# KiCad board register-motherboard - Copy.kicad_pcb (continued)
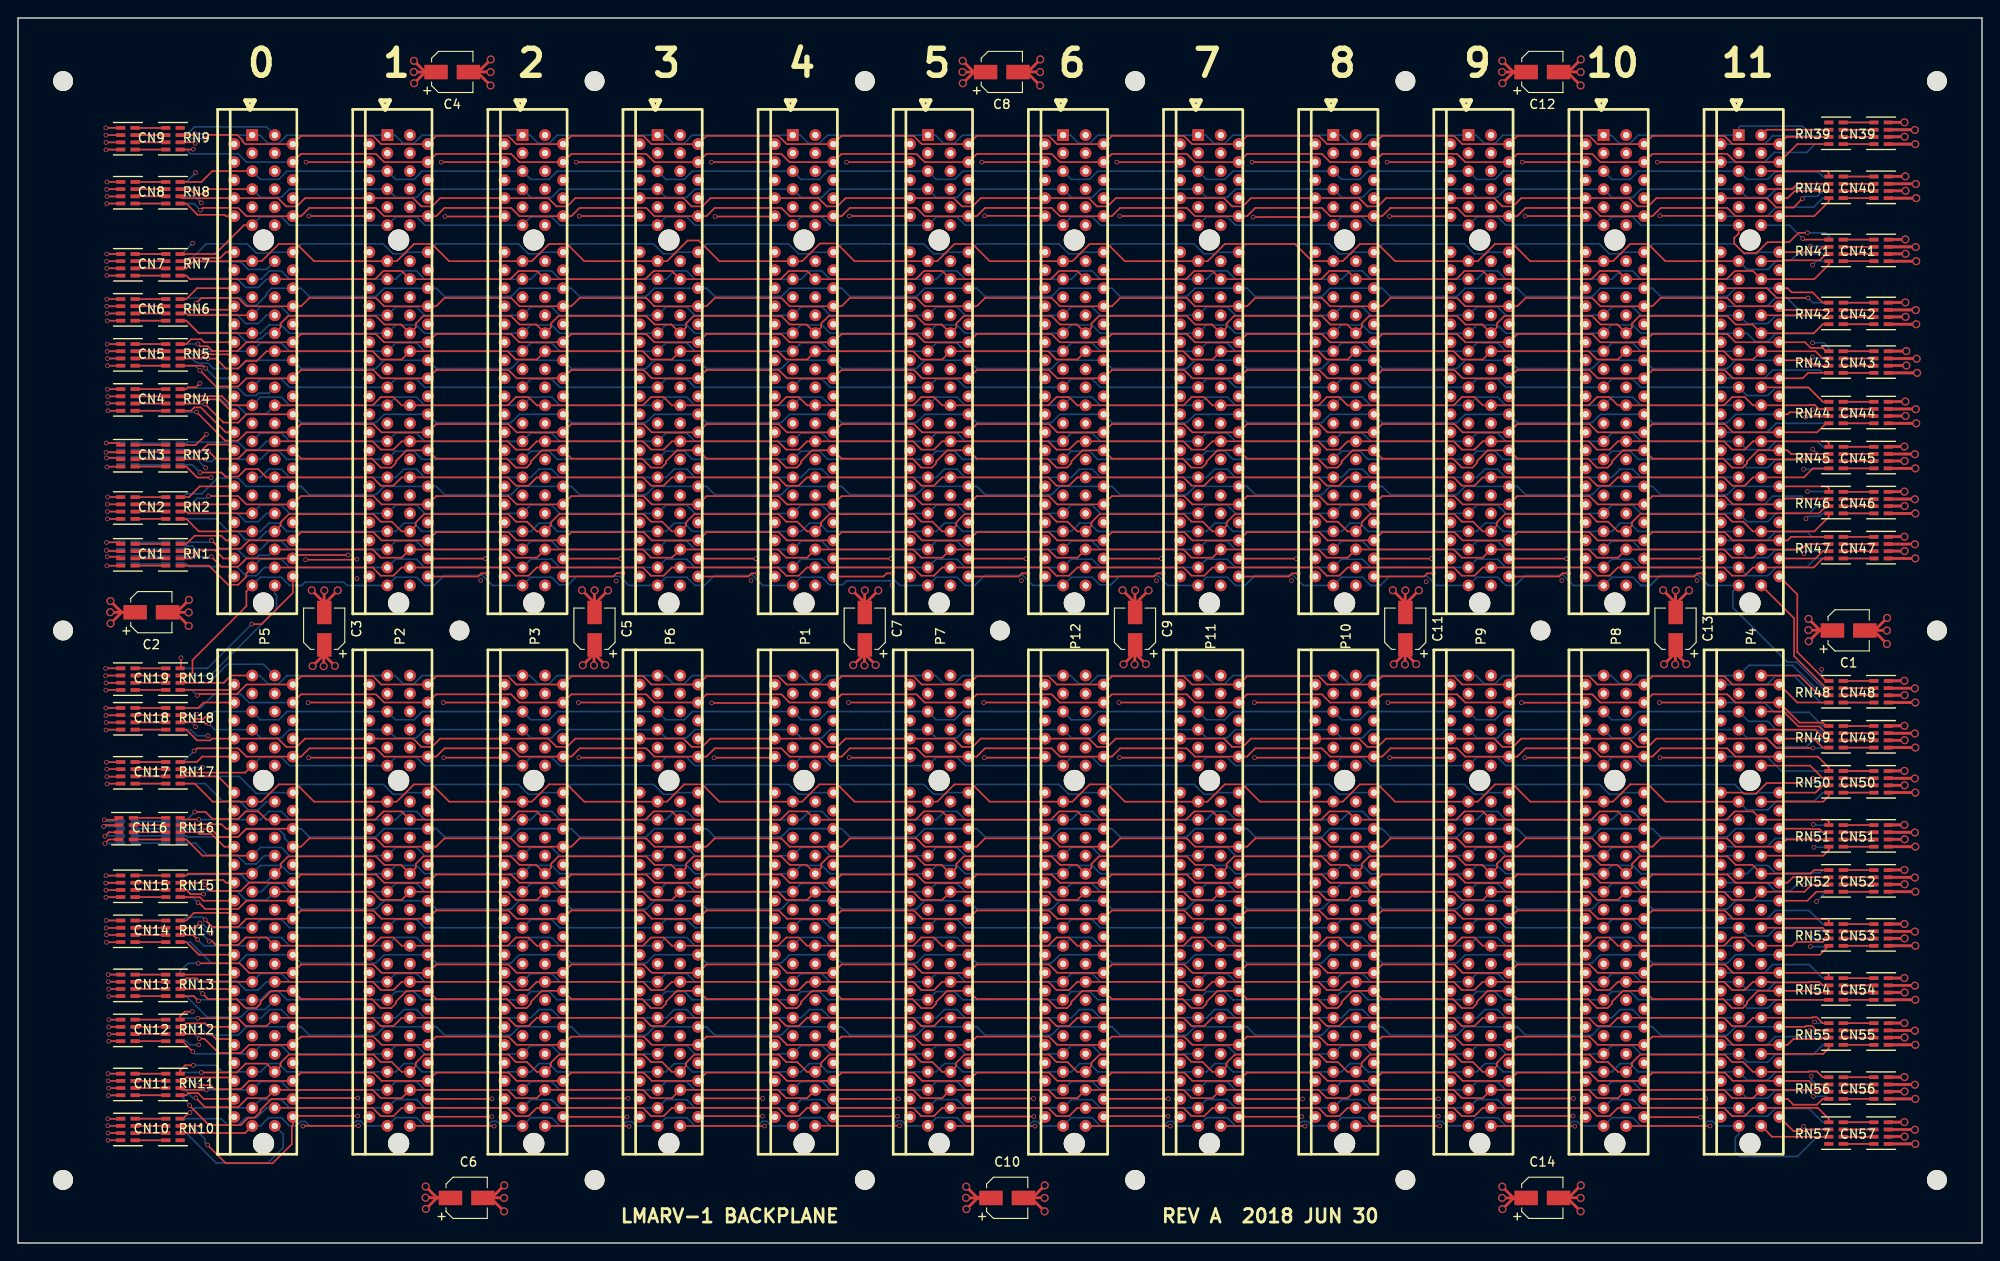
[diagram p0: board, top side]
## Routing (per net, layer and track width the routed paths; a pad name or vN(x,y) marks a point on that pad's centre or on a via; arc(x,y) is an arc through that point) (continued)
  Bottom w0.178: v1(199.25,54.95) 200.95,54.95 RN68.5
/rd[11]: length 192.8
  Top w0.178: v1(21.18,57.64) 20.82,57.64 20.63,57.83 18.71,57.83 18.68,57.8 RN18.6
  Bottom w0.178: RN68.6 199.25,55.8 198.53,55.08 195.06,55.08 194.06,56.08 191.92,56.08 P4.56 180.14,57 179.23,56.08 176.92,56.08 P8.56 165.14,57 164.23,56.08 161.92,56.08 P9.56 150.14,57 149.23,56.08 146.92,56.08 P10.56 135.14,57 134.23,56.08 131.92,56.08 P11.56 120.14,57 119.23,56.08 116.92,56.08 P12.56 105.14,57 104.23,56.08 101.92,56.08 P7.56 90.14,57 89.23,56.08 86.92,56.08 P1.56 75.14,57 74.23,56.08 71.92,56.08 P6.56 60.14,57 59.23,56.08 56.92,56.08 P3.56 45.14,57 44.23,56.08 41.92,56.08 P2.56 30.14,57 29.23,56.08 26.92,56.08 P5.56 21.82,57 v1(21.18,57.64)
/rd[12]: length 192.9
  Top w0.178: RN18.7 19.08,58.6 19.49,58.19 20.56,58.19 20.77,58.4 v1(21.13,58.4)
  Bottom w0.178: v1(21.13,58.4) 21.74,59 P5.54 26.92,58.08 28.94,58.08 29.86,59 P2.54 41.92,58.08 43.94,58.08 44.86,59 P3.54 56.92,58.08 58.94,58.08 59.86,59 P6.54 71.92,58.08 73.94,58.08 74.86,59 P1.54 86.92,58.08 88.94,58.08 89.86,59 P7.54 101.92,58.08 103.94,58.08 104.86,59 P12.54 116.92,58.08 118.94,58.08 119.86,59 P11.54 131.92,58.08 133.94,58.08 134.86,59 P10.54 146.92,58.08 148.94,58.08 149.86,59 P9.54 161.92,58.08 163.94,58.08 164.86,59 P8.54 176.92,58.08 178.94,58.08 179.86,59 P4.54 192.08,57.92 194.23,57.92 195.23,56.92 200.01,56.92 200.32,56.6 RN68.7
/rd[13]: length 195.5
  Top w0.178: v1(47.2,60) P3.53 ; v1(62.2,60) P6.53 ; v1(92.2,60) P7.53 ; v1(107.2,60) P12.53 ; v1(122.2,60) P11.53 ; v1(182.2,60) P4.53 ; v1(166.89,59.99) 173.99,59.99 P8.53 ; v1(152.07,60) P9.53 ; P1.53 83.96,59.96 v1(77,59.96) ; RN18.8 20,59.4 20.6,60 P5.53 ; v1(32.2,60) P2.53 ; v1(137.23,60) P10.53
  Vcc3.Cu w0.178: P5.53 28.86,60 29.77,60.92 31.28,60.92 v1(32.2,60) ; 53.08,60.92 P3.53 ; P3.53 58.86,60 59.77,60.92 61.28,60.92 v1(62.2,60) ; P3.53 53.08,60.92 ; P2.53 43.86,60 44.78,60.92 46.28,60.92 v1(47.2,60) ; P1.53 88.86,60 89.77,60.92 91.28,60.92 v1(92.2,60) ; P7.53 103.86,60 104.78,60.92 106.28,60.92 v1(107.2,60) ; P12.53 118.86,60 119.77,60.92 121.28,60.92 v1(122.2,60) ; P8.53 178.86,60 179.78,60.92 181.28,60.92 v1(182.2,60) ; P11.53 133.86,60 134.78,60.92 136.31,60.92 v1(137.23,60) ; v1(77,59.96) 76.01,60.95 75.09,60.95 74.14,60 P6.53 ; P9.53 163.86,60 164.86,61 165.86,61 166.87,59.99 v1(166.89,59.99) ; P10.53 149.14,60 150.09,60.95 151.12,60.95 v1(152.07,60)
  Bottom w0.178: RN68.8 200.32,57.4 198.81,58.92 194.94,58.92 193.86,60 P4.53
/rd[14]: length 206.5
  Top w0.178: RN19.5 23.4,61.4 P5.51
  In2.Cu w0.178: P5.51 28.86,62 29.77,61.08 37.16,61.08 38.08,62 P2.51 44.14,62 45.06,61.08 53.08,61.08 P3.51 ; P3.51 58.86,62 59.77,61.08 67.16,61.08 68.08,62 P6.51 74.14,62 75.06,61.08 83.08,61.08 P1.51 ; P3.51 53.08,62 52.16,61.08 ; P1.51 88.86,62 89.77,61.08 97.16,61.08 98.08,62 P7.51 104.14,62 105.06,61.08 113.08,61.08 P12.51 ; P1.51 83.08,62 82.16,61.08 ; P12.51 118.86,62 119.77,61.08 127.16,61.08 128.08,62 P11.51 134.14,62 135.06,61.08 143.08,61.08 P10.51 ; P12.51 113.08,62 112.16,61.08 ; P10.51 143.08,62 142.16,61.08 ; P10.51 149.14,62 150.06,61.08 158.08,61.08 P9.51 ; P9.51 163.86,62 164.77,61.08 172.16,61.08 173.08,62 P8.51 179.14,62 180.06,61.08 188.08,61.08 P4.51 188.08,62 187.16,61.08 ; P9.51 158.08,62 157.16,61.08
  Bottom w0.178: P4.51 194.14,62 195.06,62.92 197.17,62.92 200.09,60 RN67.5
/rd[15]: length 193.5
  Top w0.178: P5.50 23.64,63 22.84,62.2 RN19.6
  Bottom w0.178: P5.50 26.83,63 27.74,62.08 28.94,62.08 29.86,63 P2.50 41.83,63 42.74,62.08 43.94,62.08 44.86,63 P3.50 56.83,63 57.74,62.08 58.94,62.08 59.86,63 P6.50 71.83,63 72.74,62.08 73.94,62.08 74.86,63 P1.50 86.83,63 87.74,62.08 88.94,62.08 89.86,63 P7.50 101.83,63 102.74,62.08 103.94,62.08 104.86,63 P12.50 116.83,63 117.74,62.08 118.94,62.08 119.86,63 P11.50 131.83,63 132.74,62.08 133.94,62.08 134.86,63 P10.50 146.83,63 147.74,62.08 148.94,62.08 149.86,63 P9.50 161.83,63 162.74,62.08 163.94,62.08 164.86,63 P8.50 176.83,63 177.74,62.08 178.94,62.08 179.86,63 P4.50 192.13,64.13 196.99,64.13 200.32,60.8 RN67.6
/rd[16]: length 193.2
  Top w0.178: P5.22 20.67,100 20.34,100.33 19.21,100.33 18.68,99.8 RN5.8
  In2.Cu w0.178: v1(199.19,99.94) 199.19,100.05 198.32,100.92 195.06,100.92 194.14,100 P4.22 188.08,100 187.16,100.92 179.77,100.92 178.86,100 P8.22 173.08,100 172.16,100.92 164.77,100.92 163.86,100 P9.22 158.08,100 157.16,100.92 149.77,100.92 148.86,100 P10.22 143.08,100 142.16,100.92 134.77,100.92 133.86,100 P11.22 128.08,100 127.16,100.92 119.77,100.92 118.86,100 P12.22 113.08,100 112.16,100.92 104.77,100.92 103.86,100 P7.22 98.08,100 97.16,100.92 89.77,100.92 88.86,100 P1.22 83.08,100 82.16,100.92 74.77,100.92 73.86,100 P6.22 68.08,100 67.16,100.92 59.77,100.92 58.86,100 P3.22 53.08,100 52.16,100.92 44.77,100.92 43.86,100 P2.22 38.08,100 37.16,100.92 29.77,100.92 28.86,100 P5.22
  Bottom w0.178: v1(199.19,99.94) 200.44,99.94 201,99.38 RN62.8
/rd[17]: length 193.1
  Top w0.178: RN6.5 18.68,102.4 20.08,101 P5.21
  Bottom w0.178: P5.21 26.92,101 27.84,101.92 29.23,101.92 30.14,101 P2.21 41.92,101.92 44.23,101.92 45.14,101 P3.21 56.92,101.92 59.23,101.92 60.14,101 P6.21 71.92,101.92 74.23,101.92 75.14,101 P1.21 86.92,101.92 89.23,101.92 90.14,101 P7.21 101.92,101.92 104.23,101.92 105.14,101 P12.21 116.92,101.92 119.23,101.92 120.14,101 P11.21 131.92,101.92 134.23,101.92 135.14,101 P10.21 146.92,101.92 149.23,101.92 150.14,101 P9.21 161.92,101.92 164.23,101.92 165.14,101 P8.21 176.92,101.92 179.23,101.92 180.14,101 P4.21 191.92,101 192.84,100.08 194.23,100.08 195.12,100.98 199.3,100.98 200.32,102 RN61.5
/rd[18]: length 192.2
  Top w0.178: RN6.6 18.68,103.2 18.88,103 P5.19
  Bottom w0.178: RN61.6 200.32,102.8 200.21,102.92 195.06,102.92 194.23,102.08 191.92,102.08 P4.19 180.14,103 179.23,103.92 176.92,103.92 P8.19 165.14,103 164.23,103.92 161.92,103.92 P9.19 150.14,103 149.23,103.92 146.92,103.92 P10.19 135.14,103 134.23,103.92 131.92,103.92 P11.19 120.14,103 119.23,103.92 116.92,103.92 P12.19 105.14,103 104.23,103.92 101.92,103.92 P7.19 90.14,103 89.23,103.92 86.92,103.92 P1.19 75.14,103 74.23,103.92 71.92,103.92 P6.19 60.14,103 59.23,103.92 56.92,103.92 P3.19 45.14,103 44.23,103.92 41.92,103.92 P2.19 30.14,103 29.23,103.92 26.92,103.92 P5.19
/rd[19]: length 192.6
  Top w0.178: P5.18 23.62,103.62 18.68,103.62 18.3,104 RN6.7
  In2.Cu w0.178: P4.18 188.08,104.92 179.77,104.92 178.86,104 P8.18 173.08,104.92 164.77,104.92 163.86,104 P9.18 158.08,104.92 149.77,104.92 148.86,104 P10.18 143.08,104.92 134.77,104.92 133.86,104 P11.18 128.08,104.92 119.77,104.92 118.86,104 P12.18 113.08,104.92 104.77,104.92 103.86,104 P7.18 98.08,104.92 89.77,104.92 88.86,104 P1.18 83.08,104.92 74.77,104.92 73.86,104 P6.18 68.08,104.92 59.77,104.92 58.86,104 P3.18 53.08,104.92 44.77,104.92 43.86,104 P2.18 38.08,104.92 29.77,104.92 28.86,104 P5.18
  Bottom w0.178: RN61.7 197.67,103.6 196.3,104.97 195.11,104.97 194.14,104 P4.18
/rd[20]: length 192.5
  Top w0.178: P4.16 194.14,106 195.23,104.92 v1(198.69,104.92) ; RN6.8 18.68,104.8 19.88,106 P5.16
  In2.Cu w0.178: P4.16 188.08,106 187.16,106.92 180.06,106.92 179.14,106 P8.16 173.08,106 172.16,106.92 165.06,106.92 164.14,106 P9.16 158.08,106 157.16,106.92 150.06,106.92 149.14,106 P10.16 143.08,106 142.16,106.92 135.06,106.92 134.14,106 P11.16 128.08,106 127.16,106.92 120.06,106.92 119.14,106 P12.16 113.08,106 112.16,106.92 105.06,106.92 104.14,106 P7.16 98.08,106 97.16,106.92 90.06,106.92 89.14,106 P1.16 83.08,106 82.16,106.92 75.06,106.92 74.14,106 P6.16 68.08,106 67.16,106.92 60.06,106.92 59.14,106 P3.16 53.08,106 52.16,106.92 45.06,106.92 44.14,106 P2.16 38.08,106 37.16,106.92 30.06,106.92 29.14,106 P5.16
  Bottom w0.178: v1(198.69,104.92) 199.21,104.4 RN61.8
/rd[21]: length 193.1
  Top w0.178: RN7.5 18.68,107.4 19.08,107 P5.15
  In2.Cu w0.178: P4.15 191.92,106.08 194.14,106.08 195.14,107.08 197.69,107.08 v1(199.19,108.58)
  Bottom w0.178: P4.15 180.14,107 179.23,107.92 177.84,107.92 176.92,107 P8.15 165.14,107 164.23,107.92 162.84,107.92 161.92,107 P9.15 150.14,107 149.23,107.92 147.84,107.92 146.92,107 P10.15 135.14,107 134.23,107.92 132.84,107.92 131.92,107 P11.15 120.14,107 119.23,107.92 117.84,107.92 116.92,107 P12.15 105.14,107 104.23,107.92 102.84,107.92 101.92,107 P7.15 90.14,107 89.23,107.92 87.84,107.92 86.92,107 P1.15 75.14,107 74.23,107.92 72.84,107.92 71.92,107 P6.15 60.14,107 59.23,107.92 57.84,107.92 56.92,107 P3.15 45.14,107 44.23,107.92 42.84,107.92 41.92,107 P2.15 30.14,107 29.23,107.92 27.92,107.92 27,107 P5.15 ; RN60.5 199.61,109 v1(199.19,108.58)
/rd[22]: length 202.2
  Top w0.178: P4.13 182.86,109 180.94,110.92 178.95,110.92 177.03,109 P8.13 167.86,109 165.94,110.92 163.95,110.92 162.03,109 P9.13 152.86,109 150.94,110.92 148.95,110.92 147.03,109 P10.13 143.64,109 141.73,110.92 133.95,110.92 132.03,109 P11.13 122.86,109 120.94,110.92 118.95,110.92 117.03,109 P12.13 107.86,109 105.94,110.92 103.95,110.92 102.03,109 P7.13 92.86,109 90.9,110.96 88.99,110.96 87.03,109 P1.13 77.86,109 75.56,111.3 74.33,111.3 72.03,109 P6.13 62.86,109 60.94,110.92 58.95,110.92 57.03,109 P3.13 47.86,109 45.94,110.92 43.95,110.92 42.03,109 P2.13 32.86,109 30.94,110.92 28.95,110.92 27.03,109 P5.13 19.48,109 18.68,108.2 RN7.6
  Bottom w0.178: P4.13 191.92,108.08 194.23,108.08 195.23,109.08 196.79,109.08 197.51,109.8 RN60.6
/rd[23]: length 193.3
  Top w0.178: P5.12 23.08,110 22.44,109.36 19.03,109.36 18.68,109 RN7.7
  In2.Cu w0.178: v1(198.95,110.64) 198.58,111.01 194.15,111.01 192.98,109.84 191.63,109.84 191.47,110 P4.12 188.08,110 187.16,110.92 178.95,110.92 177.94,109.91 176.45,109.91 176.36,110 P8.12 173.08,110 172.16,110.92 163.95,110.92 162.94,109.91 161.45,109.91 161.36,110 P9.12 158.08,110 157.16,110.92 148.95,110.92 147.94,109.91 146.45,109.91 146.36,110 P10.12 143.08,110 142.16,110.92 133.95,110.92 132.94,109.91 131.45,109.91 131.36,110 P11.12 128.08,110 127.16,110.92 118.95,110.92 117.94,109.91 116.45,109.91 116.36,110 P12.12 113.08,110 112.16,110.92 103.95,110.92 102.94,109.91 101.45,109.91 101.36,110 P7.12 98.08,110 97.16,110.92 88.95,110.92 87.94,109.91 86.45,109.91 86.36,110 P1.12 83.08,110 82.16,110.92 73.95,110.92 72.94,109.91 71.45,109.91 71.36,110 P6.12 68.08,110 67.16,110.92 58.95,110.92 57.94,109.91 56.45,109.91 56.36,110 P3.12 53.08,110 52.16,110.92 43.95,110.92 42.94,109.91 41.45,109.91 41.36,110 P2.12 38.08,110 37.16,110.92 28.95,110.92 27.94,109.91 26.45,109.91 26.36,110 P5.12
  Bottom w0.178: RN60.7 200.96,110.64 v1(198.95,110.64)
/rd[24]: length 197.3
  Top w0.178: RN7.8 21.88,109.8 25.08,113 P5.11 ; P4.11 191,112.08 190.49,111.57 190.49,110.97 191.55,109.91 192.98,109.91 194.19,111.12 196.61,111.12 197.64,112.15 v1(198.62,112.15)
  Bottom w0.178: P4.11 180.14,113 179.23,113.92 176.92,113.92 P8.11 165.14,113 164.23,113.92 161.92,113.92 P9.11 150.14,113 149.23,113.92 146.92,113.92 P10.11 135.14,113 134.23,113.92 131.92,113.92 P11.11 120.14,113 119.23,113.92 116.92,113.92 P12.11 105.14,113 104.23,113.92 101.92,113.92 P7.11 90.14,113 89.23,113.92 86.92,113.92 P1.11 75.14,113 74.23,113.92 71.92,113.92 P6.11 60.14,113 59.23,113.92 56.92,113.92 P3.11 45.14,113 44.23,113.92 41.92,113.92 P2.11 30.14,113 29.23,113.92 26.92,113.92 P5.11 ; v1(198.62,112.15) 200.63,112.15 201,111.78 RN60.8
/rd[25]: length 193.1
  Top w0.178: 53.99,114.01 P3.10 53.96,113.96 v1(47.4,113.96) ; v1(62.29,114.01) 68.99,114.01 P6.10 ; 83.99,114.01 P1.10 83.96,113.96 v1(77.37,113.96) ; P7.10 98.99,114.01 v1(92.29,114.01) ; 113.99,114.01 P12.10 113.96,114.04 v1(107.3,114.04) ; v1(122.29,114.01) 128.99,114.01 P11.10 ; 143.99,114.01 P10.10 143.9,113.9 v1(137.1,113.9) ; 158.99,114.01 P9.10 158.98,113.98 v1(152.22,113.98) ; P8.10 173.99,114.01 v1(167.29,114.01) ; 188.99,114.01 P4.10 188.96,114.04 v1(182.25,114.04) ; P2.10 38.99,114.01 v1(32.29,114.01) ; RN8.5 18.68,115.4 19.93,114.15 22.93,114.15 23.08,114 P5.10
  Vcc3.Cu w0.178: P3.10 58.86,114 59.77,114.92 61.38,114.92 v1(62.29,114.01) ; P12.10 118.86,114 119.77,114.92 121.38,114.92 v1(122.29,114.01) ; P1.10 88.86,114 89.77,114.92 91.38,114.92 v1(92.29,114.01) ; P9.10 163.86,114 164.77,114.92 166.38,114.92 v1(167.29,114.01) ; P2.10 43.86,114 44.77,114.92 46.44,114.92 v1(47.4,113.96) ; v1(32.29,114.01) 31.38,114.92 29.77,114.92 28.86,114 P5.10 ; v1(152.22,113.98) 152.17,113.98 151.23,114.92 150.06,114.92 149.14,114 P10.10 ; v1(107.3,114.04) 106.78,114.04 105.9,114.92 105.06,114.92 104.14,114 P7.10 ; v1(182.25,114.04) 181.37,114.92 180.06,114.92 179.14,114 P8.10 ; v1(137.1,113.9) 135.99,115.01 135.15,115.01 134.14,114 P11.10 ; P6.10 74.14,114 75.06,114.92 76.34,114.92 77.3,113.96 v1(77.37,113.96)
  Bottom w0.178: RN59.5 200.32,116 199.33,115.01 195.15,115.01 194.14,114 P4.10
/rd[26]: length 192.6
  Top w0.178: RN8.6 18.2,116 P5.8 28.86,116 29.77,115.08 30.94,115.08 31.86,116 P2.8 43.86,116 44.77,115.08 45.94,115.08 46.86,116 P3.8 58.86,116 59.77,115.08 60.94,115.08 61.86,116 P6.8 73.86,116 74.77,115.08 75.94,115.08 76.86,116 P1.8 88.86,116 89.77,115.08 90.94,115.08 91.86,116 P7.8 103.86,116 104.77,115.08 105.94,115.08 106.86,116 P12.8 118.86,116 119.77,115.08 120.94,115.08 121.86,116 P11.8 133.86,116 134.77,115.08 135.94,115.08 136.86,116 P10.8 148.86,116 149.77,115.08 150.94,115.08 151.86,116 P9.8 163.86,116 164.77,115.08 165.94,115.08 166.86,116 P8.8 178.86,116 179.77,115.08 180.94,115.08 181.86,116 P4.8 194.14,116 195.18,114.96 197.08,114.96 v1(198.07,115.95)
  Bottom w0.178: RN59.6 200.32,116.8 199.73,116.2 198.32,116.2 v1(198.07,115.95)
/rd[27]: length 192.8
  Top w0.178: RN8.7 19.1,117 19.63,116.47 20.65,116.47 21.18,117 P5.7
  Bottom w0.178: P5.7 26.92,116.08 29.23,116.08 30.14,117 P2.7 41.92,116.08 44.23,116.08 45.14,117 P3.7 56.92,116.08 59.23,116.08 60.14,117 P6.7 71.92,116.08 74.23,116.08 75.14,117 P1.7 86.92,116.08 89.23,116.08 90.14,117 P7.7 101.92,116.08 104.23,116.08 105.14,117 P12.7 116.92,116.08 119.23,116.08 120.14,117 P11.7 131.92,116.08 134.23,116.08 135.14,117 P10.7 146.92,116.08 149.23,116.08 150.14,117 P9.7 161.92,116.08 164.23,116.08 165.14,117 P8.7 176.92,116.08 179.23,116.08 180.14,117 P4.7 191.92,116.08 194.23,116.08 195.23,117.08 199.81,117.08 200.32,117.6 RN59.7
/rd[28]: length 192.8
  Top w0.178: RN8.8 20.36,117.8 21.56,119 P5.5
  Bottom w0.178: P5.5 26.92,118.08 28.94,118.08 29.86,119 P2.5 41.92,118.08 43.94,118.08 44.86,119 P3.5 56.92,118.08 58.94,118.08 59.86,119 P6.5 71.92,118.08 73.94,118.08 74.86,119 P1.5 86.92,118.08 88.94,118.08 89.86,119 P7.5 101.92,118.08 103.94,118.08 104.86,119 P12.5 116.92,118.08 118.94,118.08 119.86,119 P11.5 131.92,118.08 133.94,118.08 134.86,119 P10.5 146.92,118.08 148.94,118.08 149.86,119 P9.5 161.92,118.08 163.94,118.08 164.86,119 P8.5 176.92,118.08 178.94,118.08 179.86,119 P4.5 191.92,118.08 194.23,118.08 195.06,118.92 199.81,118.92 200.32,118.4 RN59.8
/rd[29]: length 195.4
  Top w0.178: v1(46.97,120) P3.4 ; v1(61.97,120) P6.4 ; v1(76.97,120) P1.4 ; v1(91.97,120) P7.4 ; v1(106.97,120) P12.4 ; v1(121.97,120) P11.4 ; v1(136.97,120) P10.4 ; v1(151.97,120) P9.4 ; v1(166.97,120) P8.4 ; v1(181.97,120) P4.4 ; RN9.5 19.42,121.4 v1(19.45,121.44) ; v1(31.97,120) P2.4
  Vcc3.Cu w0.178: P3.4 58.86,120 59.77,120.92 61.05,120.92 v1(61.97,120) ; 74.78,120.92 73.86,120 P6.4 ; P1.4 88.86,120 89.77,120.92 91.05,120.92 v1(91.97,120) ; 104.78,120.92 103.86,120 P7.4 ; 134.78,120.92 133.86,120 P11.4 ; 143.08,120.92 P10.4 ; P10.4 143.08,120.92 ; P10.4 148.86,120 149.78,120.92 ; P12.4 118.86,120 119.77,120.92 121.05,120.92 v1(121.97,120) ; 179.78,120.92 178.86,120 P8.4 ; P9.4 163.86,120 164.77,120.92 166.05,120.92 v1(166.97,120) ; 44.77,120.92 46.05,120.92 v1(46.97,120) ; v1(76.97,120) 76.05,120.92 74.77,120.92 ; 104.77,120.92 106.05,120.92 v1(106.97,120) ; 134.77,120.92 136.05,120.92 v1(136.97,120) ; v1(151.97,120) 151.05,120.92 149.77,120.92 ; v1(181.97,120) 181.05,120.92 179.77,120.92 ; v1(31.97,120) 31.05,120.92 29.77,120.92 28.86,120 P5.4 20.89,120 v1(19.45,121.44) ; 44.78,120.92 43.86,120 P2.4
  Bottom w0.178: RN58.5 199.48,122 198.56,121.08 194.94,121.08 193.86,120 P4.4
/rd[30]: length 194.1
  Top w0.178: RN9.6 19.55,122.2 v1(19.65,122.09)
  In2.Cu w0.178: P10.2 143.08,121.08 135.06,121.08 134.14,122 P11.2 128.08,122 127.16,121.08 119.77,121.08 118.86,122 P12.2 113.08,121.08 105.06,121.08 104.14,122 P7.2 98.08,122 97.16,121.08 89.77,121.08 88.86,122 P1.2 83.08,121.08 75.06,121.08 74.14,122 P6.2 68.08,122 67.16,121.08 59.77,121.08 58.86,122 P3.2 53.08,121.08 45.06,121.08 44.14,122 P2.2 38.08,122 37.16,121.08 29.77,121.08 28.86,122 P5.2 19.75,122 v1(19.65,122.09) ; P10.2 143.08,122 142.16,121.08 ; P10.2 149.14,122 150.06,121.08 158.08,121.08 P9.2 163.86,122 164.77,121.08 172.16,121.08 173.08,122 P8.2 179.14,122 180.06,121.08 188.08,121.08 P4.2
  Bottom w0.178: RN58.6 200.32,122.8 200.21,122.92 194.77,122.92 193.86,122 P4.2
/rd[31]: length 192.5
  Top w0.178: v1(19.63,123.13) 19.5,123 RN9.7
  Bottom w0.178: v1(19.63,123.13) 20.97,123.13 21.1,123 P5.1 26.83,123 27.74,122.08 28.94,122.08 29.86,123 P2.1 41.83,123 42.74,122.08 43.94,122.08 44.86,123 P3.1 56.83,123 57.74,122.08 58.94,122.08 59.86,123 P6.1 71.83,123 72.74,122.08 73.94,122.08 74.86,123 P1.1 86.83,123 87.74,122.08 88.94,122.08 89.86,123 P7.1 101.83,123 102.74,122.08 103.94,122.08 104.86,123 P12.1 116.83,123 117.74,122.08 118.94,122.08 119.86,123 P11.1 131.83,123 132.74,122.08 133.94,122.08 134.86,123 P10.1 146.83,123 147.74,122.08 148.94,122.08 149.86,123 P9.1 161.83,123 162.74,122.08 163.94,122.08 164.86,123 P8.1 176.83,123 177.74,122.08 178.94,122.08 179.86,123 P4.1 191,123.83 191.17,124 198.07,124 198.47,123.6 RN58.7
/rda[0]: length 192.5
  Top w0.178: RN1.7 18.05,76.75 v1(19.23,76.75)
  In2.Cu w0.178: v1(19.23,76.75) 19.48,77 P5.45
  Bottom w0.178: RN66.7 198.53,77.6 197.85,76.92 195.06,76.92 194.23,76.08 191.92,76.08 P4.45 180.14,77 179.23,77.92 176.92,77.92 P8.45 165.14,77 164.23,77.92 161.92,77.92 P9.45 150.14,77 149.23,77.92 146.92,77.92 P10.45 135.14,77 134.23,77.92 131.92,77.92 P11.45 120.14,77 119.23,77.92 116.92,77.92 P12.45 105.14,77 104.23,77.92 101.92,77.92 P7.45 90.14,77 89.23,77.92 86.92,77.92 P1.45 75.14,77 74.23,77.92 71.92,77.92 P6.45 60.14,77 59.23,77.92 56.92,77.92 P3.45 45.14,77 44.23,77.92 41.92,77.92 P2.45 30.14,77 29.23,77.92 27.84,77.92 26.92,77 P5.45
/rda[1]: length 192.8
  Top w0.178: P5.46 22.79,76 21.87,76.92 20.17,76.92 19.25,76 RN1.6
  In2.Cu w0.178: v1(198.24,76.54) 198.24,76.59 197.91,76.92 195.06,76.92 194.14,76 P4.46 188.08,76.92 179.77,76.92 178.86,76 P8.46 173.08,76.92 164.77,76.92 163.86,76 P9.46 158.08,76.92 149.77,76.92 148.86,76 P10.46 143.08,76.92 134.77,76.92 133.86,76 P11.46 128.08,76.92 119.77,76.92 118.86,76 P12.46 113.08,76.92 104.77,76.92 103.86,76 P7.46 98.08,76.92 89.77,76.92 88.86,76 P1.46 83.08,76.92 74.77,76.92 73.86,76 P6.46 68.08,76.92 59.77,76.92 58.86,76 P3.46 53.08,76.92 44.77,76.92 43.86,76 P2.46 38.08,76.92 29.77,76.92 28.86,76 P5.46
  Bottom w0.178: RN66.6 198.5,76.8 v1(198.24,76.54)
/rda[2]: length 194.4
  Top w0.178: P5.47 25.35,74.35 25.35,73.99 24.44,73.08 23.32,73.08 21.2,75.2 RN1.5
  Bottom w0.178: P5.47 26.92,75.92 29.23,75.92 30.14,75 P2.47 41.92,75.92 44.23,75.92 45.14,75 P3.47 56.92,75.92 59.23,75.92 60.14,75 P6.47 71.92,75.92 74.23,75.92 75.14,75 P1.47 86.92,75.92 89.23,75.92 90.14,75 P7.47 101.92,75.92 104.23,75.92 105.14,75 P12.47 116.92,75.92 119.23,75.92 120.14,75 P11.47 131.92,75.92 134.23,75.92 135.14,75 P10.47 146.92,75.92 149.23,75.92 150.14,75 P9.47 161.92,75.92 164.23,75.92 165.14,75 P8.47 176.92,75.92 179.23,75.92 180.14,75 P4.47 191.92,74.08 194.23,74.08 195.23,75.08 198.59,75.08 199.51,76 RN66.5
/rda[3]: length 204.4
  Top w0.178: v1(18.08,64.97) 18.08,63.88 RN19.8
  In2.Cu w0.178: v1(200.2,63.7) 200.18,63.72 197.45,63.72 189.65,71.52 189.65,73.35 P4.48 188.08,74.92 179.77,74.92 178.86,74 P8.48 173.08,74.92 164.77,74.92 163.86,74 P9.48 158.08,74.92 149.77,74.92 148.86,74 P10.48 143.08,74.92 134.77,74.92 133.86,74 P11.48 128.08,74.92 119.77,74.92 118.86,74 P12.48 113.08,74.92 104.77,74.92 103.86,74 P7.48 98.08,74.92 89.77,74.92 88.86,74 P1.48 83.08,74.92 74.77,74.92 73.86,74 P6.48 68.08,74.92 59.77,74.92 58.86,74 P3.48 53.08,74.92 44.77,74.92 43.86,74 P2.48 38.08,74.92 29.77,74.92 28.86,74 P5.48 24,70.89 v1(18.08,64.97)
  Bottom w0.178: RN67.8 200.7,62.4 200.2,62.9 v1(200.2,63.7)
/rda[4]: length 217.3
  Top w0.178: P5.49 25.35,72.35 25.35,70.71 19.37,64.73 19.37,63.32 19.05,63 RN19.7
  Bottom w0.178: 180.14,73 179.23,73.92 176.92,73.92 P8.49 172.66,73 171.54,74.12 167.31,74.12 166.19,73 165.14,73 164.23,73.92 161.92,73.92 P9.49 157.45,73 156.43,74.02 152.23,74.02 151.21,73 150.14,73 ; 180.14,73 181.19,73 182.31,74.12 186.54,74.12 187.66,73 ; 180.14,73 181.17,73 181.87,73.7 ; 150.14,73 149.23,73.92 146.92,73.92 P10.49 142.66,73 141.54,74.12 137.31,74.12 136.19,73 135.14,73 134.23,73.92 131.92,73.92 P11.49 127.63,73 126.57,74.06 122.28,74.06 121.3,73.08 120.06,73.08 119.23,73.92 116.92,73.92 P12.49 112.66,73 111.54,74.12 107.31,74.12 106.19,73 105.14,73 104.23,73.92 101.92,73.92 P7.49 97.88,73 97.35,73.53 96.77,73.53 96.75,73.51 91.97,73.51 91.54,73.08 90.06,73.08 89.23,73.92 86.92,73.92 P1.49 82.66,73 81.54,74.12 77.31,74.12 76.19,73 75.14,73 74.23,73.92 71.92,73.92 P6.49 67.8,73 66.78,74.02 62,74.02 61.06,73.08 60.06,73.08 59.23,73.92 56.92,73.92 P3.49 52.66,73 51.54,74.12 47.31,74.12 46.19,73 45.14,73 44.23,73.92 41.92,73.92 P2.49 36.53,73 36.15,73.38 31.88,73.38 31.5,73 30.14,73 29.23,73.92 26.92,73.92 P5.49 ; 150.14,73 151.27,73 ; 186.89,73.7 187.59,73 P4.49 190.35,72.35 190.35,70.54 196.4,64.49 197.44,64.49 200.32,61.6 RN67.7
/rs1[0]: length 192.9
  Top w0.178: RN53.7 200.7,33.8 200.32,33.42 197.34,33.42 196.92,33 P4.176 192.58,33 191.66,33.92 190.27,33.92 189.36,33 P8.176 177.58,33 176.66,33.92 175.27,33.92 174.36,33 P9.176 162.58,33 161.66,33.92 160.27,33.92 159.36,33 P10.176 147.58,33 146.66,33.92 145.27,33.92 144.36,33 P11.176 132.58,33 131.66,33.92 130.27,33.92 129.36,33 P12.176 117.58,33 116.66,33.92 115.27,33.92 114.36,33 P7.176 102.58,33 101.66,33.92 100.27,33.92 99.36,33 P1.176 87.58,33 86.66,33.92 85.27,33.92 84.36,33 P6.176 72.58,33 71.66,33.92 70.27,33.92 69.36,33 P3.176 57.58,33 56.66,33.92 55.27,33.92 54.36,33 P2.176 42.58,33 41.66,33.92 40.27,33.92 39.36,33 P5.176 27.58,33.92 25.27,33.92 24.44,33.08 21.98,33.08 21.55,33.51 v1(21.21,33.51)
  Bottom w0.178: RN33.7 20.52,34.2 v1(21.21,33.51)
/rs1[1]: length 192.7
  Top w0.178: RN53.6 200.7,34.6 200.3,35 P4.174
  In2.Cu w0.178: P4.174 192.58,35 191.66,34.08 190.27,34.08 189.36,35 P8.174 177.58,34.08 175.27,34.08 174.36,35 P9.174 162.58,34.08 160.27,34.08 159.36,35 P10.174 147.58,34.08 145.27,34.08 144.36,35 P11.174 132.58,34.08 130.27,34.08 129.36,35 P12.174 117.58,34.08 115.27,34.08 114.36,35 P7.174 102.58,34.08 100.27,34.08 99.36,35 P1.174 87.58,34.08 85.27,34.08 84.36,35 P6.174 72.58,34.08 70.27,34.08 69.36,35 P3.174 57.58,34.08 55.27,34.08 54.36,35 P2.174 42.58,34.08 40.27,34.08 39.36,35 P5.174 27.58,35 26.66,34.08 25.27,34.08 24.44,34.92 21.98,34.92 v1(21.42,34.36)
  Bottom w0.178: RN33.6 20.42,35 21.06,34.36 v1(21.42,34.36)
/rs1[2]: length 192.8
  Top w0.178: v1(20.78,35.87) 21.57,35.08 24.44,35.08 25.36,36 P5.173 31.42,36.92 39.44,36.92 40.36,36 P2.173 46.42,36.92 54.44,36.92 55.36,36 P3.173 61.42,36.92 69.44,36.92 70.36,36 P6.173 76.42,36.92 84.44,36.92 85.36,36 P1.173 91.42,36.92 99.44,36.92 100.36,36 P7.173 106.42,36.92 114.44,36.92 115.36,36 P12.173 121.42,36.92 129.44,36.92 130.36,36 P11.173 136.42,36.92 144.44,36.92 145.36,36 P10.173 151.42,36.92 159.44,36.92 160.36,36 P9.173 166.42,36.92 174.44,36.92 175.36,36 P8.173 181.42,36.92 189.44,36.92 190.36,36 P4.173 200.78,36 201,35.78 RN53.5
  Bottom w0.178: RN33.5 18.3,35.8 18.68,36.18 20.47,36.18 v1(20.78,35.87)
/rs1[3]: length 192.7
  Top w0.178: v1(19.98,37.79) 20.07,37.79 20.78,37.08 24.44,37.08 25.36,38 P5.171 ; P4.171 198.62,38 199.62,39 RN52.8
  Bottom w0.178: P5.171 31.42,37.08 39.73,37.08 40.64,38 P2.171 46.42,37.08 54.73,37.08 55.64,38 P3.171 61.42,37.08 69.73,37.08 70.64,38 P6.171 76.42,37.08 84.73,37.08 85.64,38 P1.171 91.42,37.08 99.73,37.08 100.64,38 P7.171 106.42,37.08 114.73,37.08 115.64,38 P12.171 121.42,37.08 129.73,37.08 130.64,38 P11.171 136.42,37.08 144.73,37.08 145.64,38 P10.171 151.42,37.08 159.73,37.08 160.64,38 P9.171 166.42,37.08 174.73,37.08 175.64,38 P8.171 181.42,37.08 189.73,37.08 190.64,38 P4.171 ; v1(19.98,37.79) 19.37,38.4 RN34.8
/rs1[4]: length 192.6
  Top w0.178: P5.170 39.36,39 40.27,38.08 42.58,38.08 P2.170 54.36,39 55.27,38.08 57.58,38.08 P3.170 69.36,39 70.27,38.08 72.58,38.08 P6.170 84.36,39 85.27,38.08 87.58,38.08 P1.170 99.36,39 100.27,38.08 102.58,38.08 P7.170 114.36,39 115.27,38.08 117.58,38.08 P12.170 129.36,39 130.27,38.08 132.58,38.08 P11.170 144.36,39 145.27,38.08 147.58,38.08 P10.170 159.36,39 160.27,38.08 162.58,38.08 P9.170 174.36,39 175.27,38.08 177.58,38.08 P8.170 189.36,39 190.27,38.08 192.58,38.08 P4.170 198.3,39 199.1,39.8 RN52.7
  Bottom w0.178: P5.170 27.58,38.08 25.27,38.08 24.27,39.08 21.03,39.08 20.85,39.26 20.35,39.26 20.29,39.2 RN34.7
